# Altium PCB HV_Module_6W.PCBDOC (part 4 of 4)
Units mm, origin at the board's own origin, x right, y up, seen from the top; angles counter-clockwise.
Board outline 148 x 86 mm, 4 copper layers (Top, L2, L3, Bot), stack 1.6 mm thick; 457 components, 280 nets, 1264 pads, 439 vias.
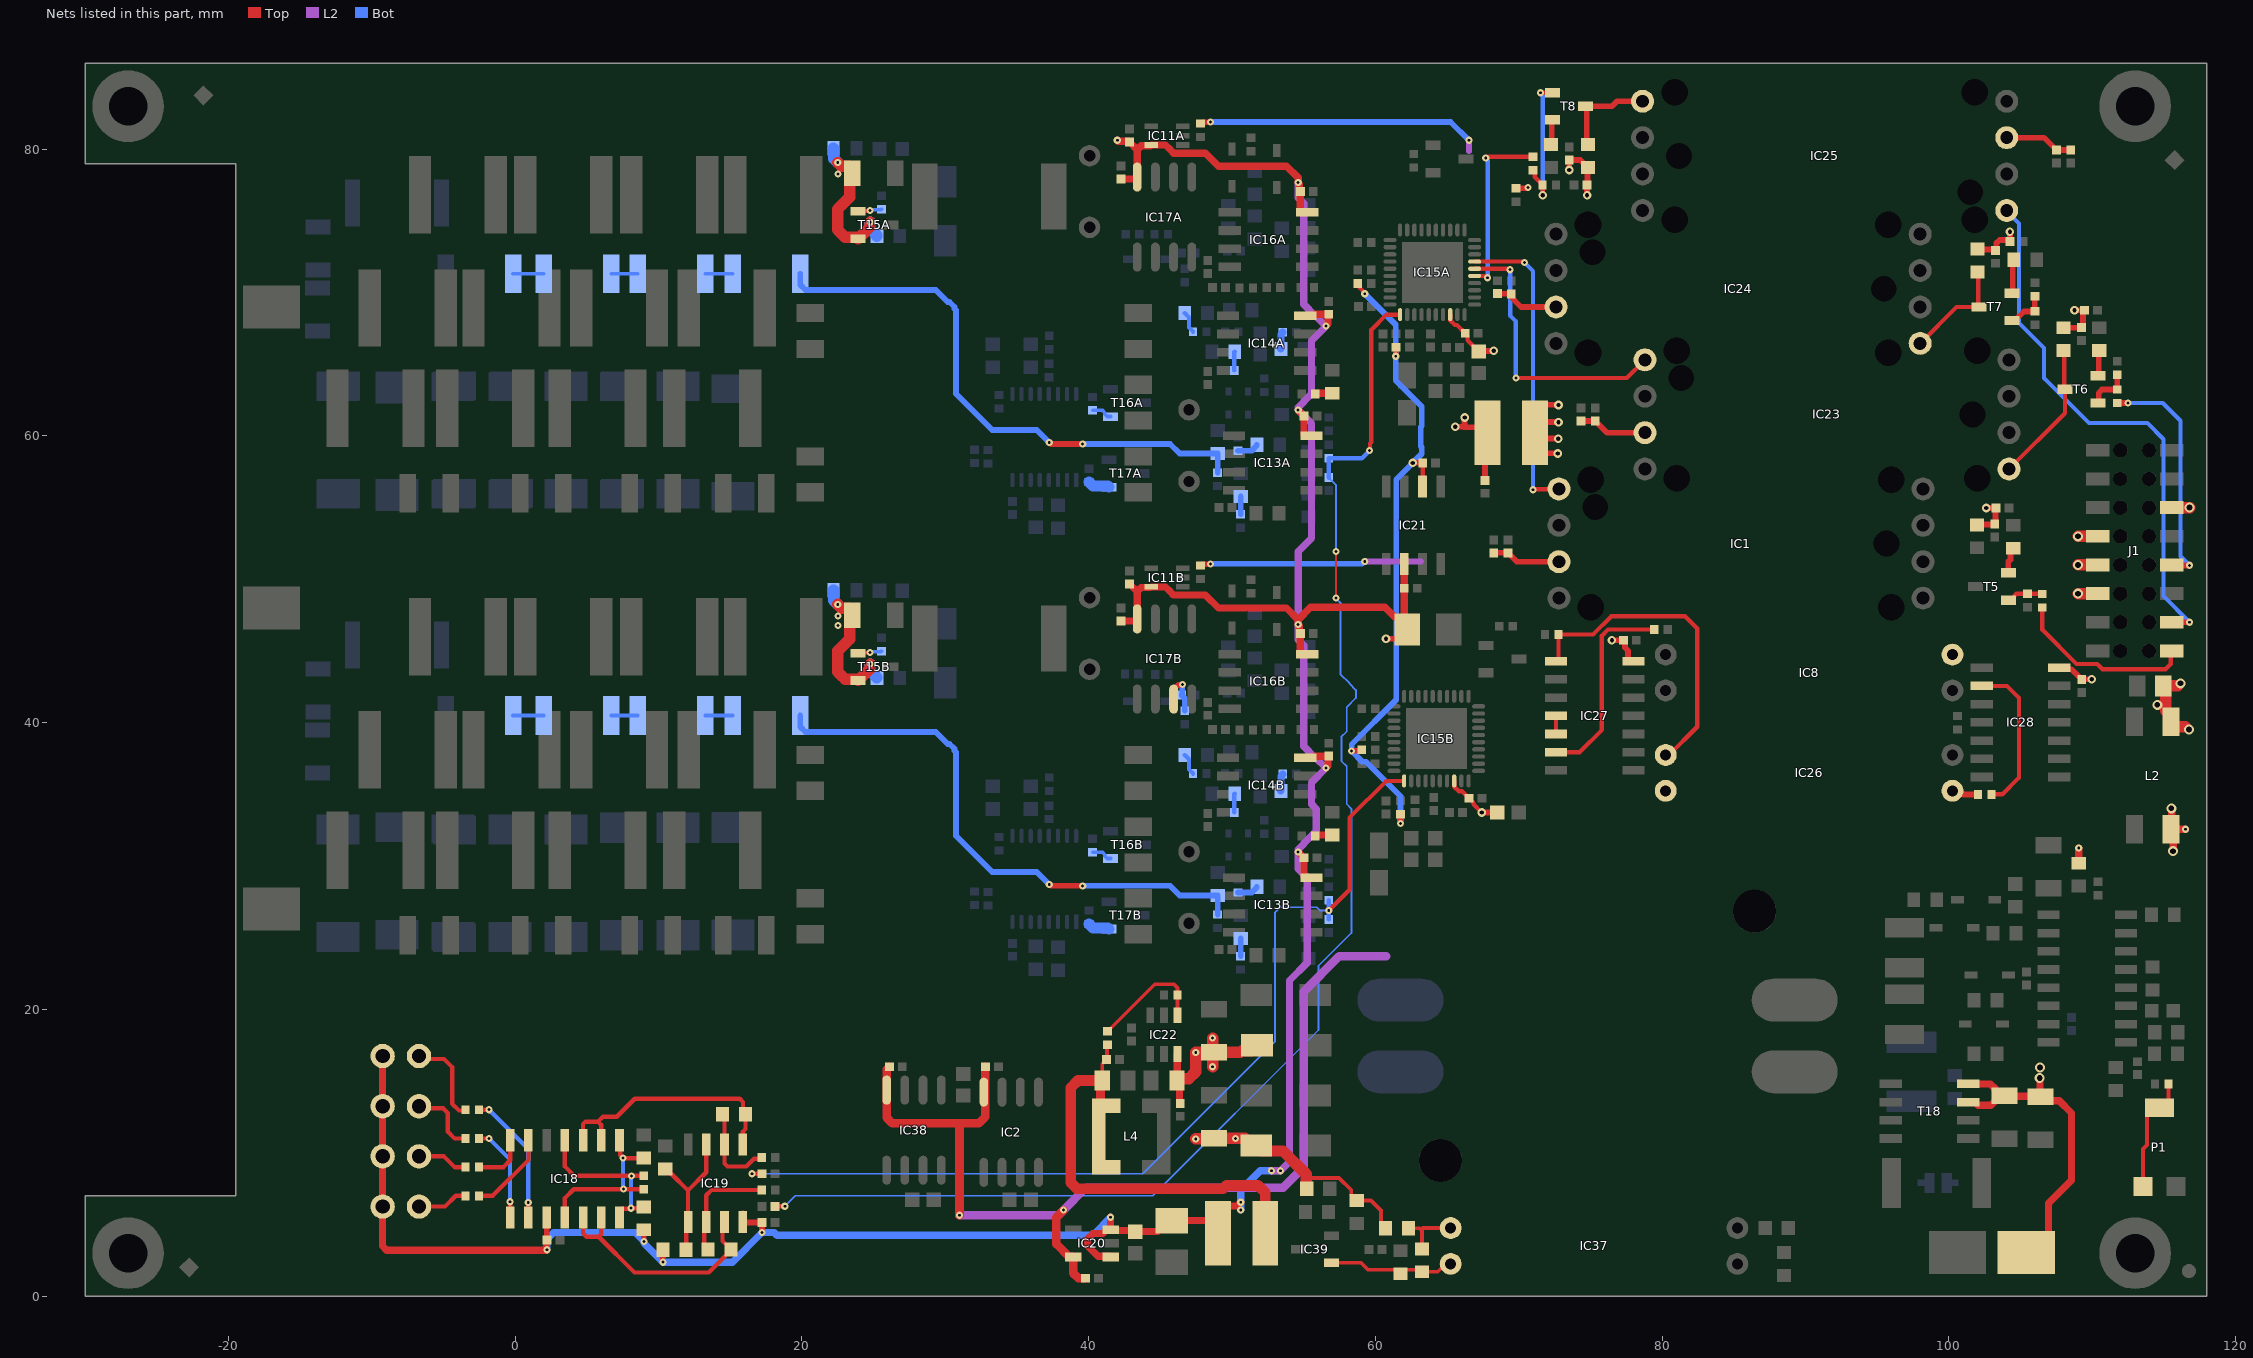
[diagram p6: the nets of this part, all layers, seen from the top]

## Via types
v1: diameter 0.5, hole 0.2, Top to Bot, tented both sides, 271 vias
v2: diameter 0.6, hole 0.3, Top to Bot, 80 vias
v3: diameter 0.5, hole 0.2, Top to Bot, 61 vias
v4: diameter 0.7, hole 0.4, Top to Bot, 27 vias

## Nets (pads, with @x,y where several pads share a name; then routed paths per layer and width w, separated by ;. In a path a pad name is that pad's centre, name@x,y a point inside that pad or via, vN(x,y) a via of type N, cw(c..) or ccw(c..) an arc to the next point about the centre after c; other vN are vias at no path point) (continued)
NetIC17B_3: IC17B.3 R179B.1 R180B.1 | length 3.4
  Top w0.4: IC17B.3@45.925,41.65 45.925,42.304 46.277,42.656 46.536,42.656 v1(46.555,42.676)
  Bot w0.4: v1(46.555,42.676) 46.536,42.656 46.536,41.978 R180B.1@46.5,41.942 46.5,41.922 46.7,41.722 R179B.1@46.7,40.839
NetIC18_1: IC18.1 R67.2 | length 6.4
  Top w0.3: R67.2@-2.53,11 v3@-1.844,11 ; IC18.1@-0.354,5.895 v3@-0.354,6.581
  Top w0.4: v3@-1.844,11 v3(-1.836,11.008) ; v3(-0.362,6.589) v3@-0.354,6.581
  Bot w0.3: v3(-1.836,11.008) -0.362,9.533 v3(-0.362,6.589)
NetIC18_2: IC18.2 R109.2 | length 9
  Top w0.3: R109.2@-2.53,13 v3@-1.844,13 ; IC18.2@0.916,5.851 v3@0.916,6.537
  Top w0.4: v3@-1.844,13 v3(-1.836,13.008) ; v3(0.908,6.545) v3@0.916,6.537
  Bot w0.3: v3(-1.836,13.008) 0.908,10.263 v3(0.908,6.545)
NetIC18_4: IC18.4 IC18.8 R59.2 R108.1 | length 12.1
  Top w0.3: IC18.4@3.463,5.48 3.463,6.841 4.082,7.46 R108.1@8.963,7.46 ; IC18.8@7.273,10.88 7.322,10.831 7.322,9.831 v3(7.523,9.63) R59.2@8.963,9.63
  Bot w0.3: v3(7.523,9.63) 7.523,7.502 v3(7.55,7.475)
NetIC18_5: IC18.5 IC18.6 IC19.7 R56.1 | length 16.5
  Top w0.3: IC18.5@4.733,5.48 4.733,4.392 4.975,4.15 5.827,4.15 ; IC18.6@6.003,5.48 6.003,4.326 5.827,4.15 ; IC19.7@14.463,5.243 14.463,3.853 R56.1@14.809,3.507 ; R56.1@15.05,3.25 15.05,3.2 13.504,1.654 8.323,1.654 5.827,4.15
NetIC18_7: IC18.7 IC18.11 R5.1 R108.2 | length 12.1
  Top w0.3: IC18.11@3.463,10.88 3.463,9.039 4.102,8.4 R108.2@8.963,8.4 ; IC18.7@7.273,5.48 7.273,5.955 7.423,6.105 8.053,6.105 v3(8.086,6.138) 8.871,6.138 R5.1@8.963,6.23
  Bot w0.3: v3(8.086,6.138) 8.077,6.146 8.077,8.354 v3(8.103,8.38)
NetIC18_9: IC18.9 IC18.10 IC19.1 R69.1 | length 17.6
  Top w0.3: IC18.10@4.733,10.88 4.733,11.999 4.909,12.175 5.775,12.175 ; IC18.9@6.003,10.88 6.003,11.947 5.775,12.175 ; IC19.1@15.868,10.58 15.868,11.461 16.063,11.656 R69.1@16.063,12.68 15.892,12.851 15.892,13.544 15.661,13.775 8.336,13.775 7.079,12.518 6.118,12.518 5.775,12.175
NetIC18_13: IC18.13 R72.2 | length 5.9
  Top w0.3: R72.2@-2.53,7 -1.575,7 0.923,9.498 IC18.13@0.923,10.88
NetIC18_14: IC18.14 R70.2 | length 3.8
  Top w0.3: R70.2@-2.53,9 -0.822,9 -0.347,9.476 IC18.14@-0.347,10.88
NetIC19_2: IC19.2 R69.2 R71.1 | length 6.4
  Top w0.3: R69.2@14.463,12.68 14.598,12.545 IC19.2@14.598,10.58 14.598,9.25 14.809,9.039 16.113,9.039 16.655,9.581 17.095,9.581 R71.1@17.193,9.68
NetIC19_3: IC19.3 IC19.5 R66.1 R68.2 | length 10.1
  Top w0.3: R68.2@10.463,8.88 10.763,8.58 10.847,8.58 12.058,7.369 ; R66.1@11.923,3.244 11.923,5.645 12.058,5.78 12.058,7.369 ; IC19.3@13.328,10.58 13.328,8.639 12.058,7.369
NetIC19_6: IC19.6 R56.2 R57.1 | length 8
  Top w0.3: R56.2@13.45,3.25 13.193,3.507 13.193,5.108 13.328,5.243 13.328,7.041 13.698,7.411 17.053,7.411 R57.1@17.193,7.405
NetIC22_4: IC22.4 R7.1 R8.2 | length 8.3
  Top w0.254: R7.1@41.311,18.47 41.331,18.47 44.611,21.75 45.95,21.75 46.2,21.5 IC22.4@46.2,19.6
NetIC23_1: IC23.1 R6.1 T6.3 | length 9.9
  Top w0.3: IC23.1@104.2,57.69 108.1,61.59 T6.3@108.1,63.25 108.05,63.3 108.05,65.9 R6.1@108,65.95
NetIC24_1: IC24.1 R98.1 T7.3 | length 7.6
  Top w0.3: IC24.1@98,66.46 100.54,69 T7.3@102.1,69 102.05,69.05 102.05,71.4 R98.1@102,71.45
NetIC25_1: IC25.1 R102.1 T8.3 | length 6.9
  Top w0.4: R102.1@74.83,80.34 74.74,80.43 74.74,82.91 T8.3@74.65,83 76.5,83 76.85,83.35 IC25.1@78.64,83.35
NetIC26_1: IC26.1 R106.1 | length 1.9
  Top w0.4: IC26.1@100.25,35.25 100.465,35.035 101.011,35.035 101.046,35 R106.1@102.03,35
NetIC26_3: IC26.3 IC27.1 R21.2 | length 22.4
  Top w0.3: IC27.1@72.58,44.31 IC27.1@72.6,44.29 72.62,44.29 72.77,44.44 R21.2@72.77,46.15 75.187,46.15 76.462,47.425 81.599,47.425 82.45,46.574 82.45,39.72 80.48,37.75 IC26.3@80.25,37.75
NetIC27_4: IC27.4 IC27.5 | length 1.3
  Top w0.3: IC27.5@72.6,39.21 IC27.4@72.6,40.48
NetIC27_6: IC27.6 R23.2 | length 14.3
  Top w0.3: IC27.6@72.6,37.94 74.24,37.94 75.8,39.5 75.8,46.065 76.235,46.5 R23.2@79.46,46.5
NetIC28_2: IC28.2 R106.2 | length 10.9
  Top w0.3: IC28.2@102.3,42.565 104.061,42.565 104.894,41.733 104.894,36.169 103.725,35 R106.2@102.97,35
NetIC37_1: IC37.1 R32.1 R196.2 | length 4.2
  Top w0.254: R32.1@62.314,4.728 63.101,4.728 ; 63.176,4.654 63.25,4.58 R196.2@63.25,3.3 ; 63.25,4.7 63.3,4.75 IC37.1@65.25,4.75
NetIC37_2: IC37.2 IC39.1 R196.1 R197.2 | length 8.8
  Top w0.254: IC39.1@56.925,2.318 59.013,2.318 59.481,1.85 61.75,1.85 63.1,1.85 R196.1@63.25,1.7 64.356,1.7 64.906,2.25 IC37.2@65.25,2.25
NetP1_2: P1.2 P1.3 R189.1 | length 8.2
  Top w0.254: P1.3@113.544,7.65 113.544,10.261 113.821,10.538 113.821,12.627 114.344,13.15 P1.2@114.694,13.15 114.796,13.15 115.319,13.673 R189.1@115.319,14.805
NetR2_1: R2.1 R3.2 T5.1 | length 2.6
  Top w0.3: T5.1@104.15,48.55 104.35,48.55 104.475,48.675 104.475,48.756 104.709,48.99 R3.2@105.48,48.99 ; R3.2@105.5,48.99 105.504,48.986 106.508,48.986 R2.1@106.512,48.981
NetR4_2: R4.2 T5.2 | length 1.9
  Top w0.4: T5.2@104.15,50.45 104.15,51.23 104.296,51.376 104.296,51.966 R4.2@104.5,52.17
NetR9A_2: R9A.2 R181A.1 | length 1.5
  Bot w0.4: R181A.1@50.412,58.976 51.376,58.976 51.73,59.33 R9A.2@51.73,59.38
NetR9B_2: R9B.2 R181B.1 | length 1.5
  Bot w0.4: R181B.1@50.412,28.151 51.376,28.151 51.73,28.505 R9B.2@51.73,28.555
NetR28A_1: R28A.1 R58A.2 | length 1.2
  Bot w0.4: R58A.2@50.605,54.545 R28A.1@50.605,55.776
NetR28B_1: R28B.1 R58B.2 | length 1.2
  Bot w0.4: R58B.2@50.605,23.72 R28B.1@50.605,24.951
NetR63A_2: R63A.2 R74A.2 R81A.1 | length 39.6
  Top w0.4: v1(37.25,59.542) 37.277,59.542 37.372,59.446 v1(39.583,59.446)
  Bot w0.4: R81A.1@19.877,71.325 19.877,70.55 20.252,70.175 29.34,70.175 30.173,69.342 30.3,69.342 30.638,69.004 30.638,68.877 30.75,68.765 30.75,62.939 33.278,60.411 36.381,60.411 v1(37.25,59.542) ; v1(39.583,59.446) 45.684,59.446 46.355,58.775 R63A.2@49,58.775 R74A.2@49,57.446
NetR63B_2: R63B.2 R74B.2 R81B.1 | length 39.6
  Top w0.4: v1(37.25,28.717) 37.277,28.717 37.372,28.621 v1(39.583,28.621)
  Bot w0.4: R81B.1@19.877,40.5 19.877,39.725 20.252,39.35 29.34,39.35 30.173,38.517 30.3,38.517 30.638,38.179 30.638,38.052 30.75,37.94 30.75,32.114 33.278,29.586 36.381,29.586 v1(37.25,28.717) ; v1(39.583,28.621) 45.684,28.621 46.355,27.95 R63B.2@49,27.95 R74B.2@49,26.621
NetR75A_1: R75A.1 R77A.2 | length 1.8
  Bot w0.254: R75A.1@6.7,71.325 R77A.2@8.55,71.325
NetR75A_2: R75A.2 R76A.1 | length 2.2
  Bot w0.254: R76A.1@-0.15,71.325 R75A.2@2,71.325
NetR75B_1: R75B.1 R77B.2 | length 1.8
  Bot w0.254: R75B.1@6.7,40.5 R77B.2@8.55,40.5
NetR75B_2: R75B.2 R76B.1 | length 2.2
  Bot w0.254: R76B.1@-0.15,40.5 R75B.2@2,40.5
NetR77A_1: R77A.1 R81A.2 | length 1.9
  Bot w0.254: R77A.1@13.25,71.325 R81A.2@15.177,71.325
NetR77B_1: R77B.1 R81B.2 | length 1.9
  Bot w0.254: R77B.1@13.25,40.5 R81B.2@15.177,40.5
NetR79A_2: R79A.2 R82A.1 | length 1.5
  Bot w0.3: R79A.2@46.7,68.575 47,68.275 47,67.571 47.28,67.291 R82A.1@47.28,67.271
NetR79B_2: R79B.2 R82B.1 | length 1.5
  Bot w0.3: R79B.2@46.7,37.75 47,37.45 47,36.746 47.28,36.466 R82B.1@47.28,36.446
NetR83A_2: R83A.2 R86A.1 | length 1.2
  Bot w0.508: R86A.1@53.406,66.065 53.419,66.078 53.419,67.102 53.497,67.179 53.497,67.199 R83A.2@53.533,67.235
NetR83B_2: R83B.2 R86B.1 | length 1.2
  Bot w0.508: R86B.1@53.406,35.24 53.419,35.253 53.419,36.277 53.497,36.354 53.497,36.374 R83B.2@53.533,36.41
NetR88A_1: R88A.1 R92A.2 | length 1.2
  Top w0.5: R92A.2@55.81,62.93 55.81,62.942 55.85,62.982 R88A.1@57,62.982
NetR88B_1: R88B.1 R92B.2 | length 1.2
  Top w0.5: R92B.2@55.81,32.105 55.81,32.117 55.85,32.157 R88B.1@57,32.157
NetR91A_1: R91A.1 R184A.2 | length 1.3
  Bot w0.3: R184A.2@50.163,64.573 50.163,65.853 R91A.1@50.19,65.879
NetR91B_1: R91B.1 R184B.2 | length 1.3
  Bot w0.3: R184B.2@50.163,33.748 50.163,35.028 R91B.1@50.19,35.054
NetR95_1: R95.1 R96.2 T6.1 | length 3.2
  Top w0.4: T6.1@110.4,62.3 110.4,62.375 110.45,62.425 110.45,63.006 110.684,63.24 R95.1@111.75,63.24 R96.2@111.75,64.28
NetR97_2: R97.2 T6.2 | length 1.8
  Top w0.4: T6.2@110.4,64.2 110.45,64.25 110.45,65.9 R97.2@110.5,65.95
NetR99_1: R99.1 R100.2 T7.1 | length 2.9
  Top w0.4: T7.1@104.4,68.05 104.6,68.05 105.24,68.69 R99.1@106,68.69 R100.2@106,69.75
NetR101_2: R101.2 T7.2 | length 2.4
  Top w0.4: T7.2@104.4,69.95 104.45,70 104.45,72.218 R101.2@104.53,72.297
NetR103_1: R103.1 R104.2 T8.1 | length 9.9
  Top w0.3: R103.1@71,78.53 71.02,78.53 71.11,78.44 71.11,78.07 71.66,77.52 R104.2@71.66,77.5 71.668,77.492 71.668,76.806 v2(71.675,76.799) ; v3@71.522,83.949 T8.1@72.208,83.949
  Top w0.4: v3(71.515,83.941) v3@71.522,83.949
  Bot w0.3: v3(71.515,83.941) 71.515,83.887 71.675,83.727 v2(71.675,76.799)
NetR105_2: R105.2 T8.2 | length 1.8
  Top w0.4: R105.2@72.25,80.34 72.3,80.39 72.3,82 T8.2@72.35,82.05
NetR165A_2: R165A.2 T15A.1 | length 1.7
  Top w0.254: T15A.1@23.911,75.67 23.937,75.696 24.724,75.696 v1(24.75,75.722)
  Bot w0.254: v1(24.75,75.722) 24.797,75.769 25.499,75.769 R165A.2@25.55,75.82
NetR165B_2: R165B.2 T15B.1 | length 1.7
  Top w0.254: T15B.1@23.911,44.845 23.937,44.871 24.724,44.871 v1(24.75,44.897)
  Bot w0.254: v1(24.75,44.897) 24.797,44.944 25.499,44.944 R165B.2@25.55,44.995
NetR167A_2: R167A.2 T16A.1 | length 1.5
  Bot w0.254: R167A.2@40.275,61.785 40.966,61.785 41.127,61.624 41.127,61.528 41.3,61.355 T16A.1@41.525,61.355
NetR167B_2: R167B.2 T16B.1 | length 1.5
  Bot w0.254: R167B.2@40.275,30.96 40.966,30.96 41.127,30.799 41.127,30.703 41.3,30.53 T16B.1@41.525,30.53
NetR171A_2: R171A.2 T17A.1 | length 1.5
  Bot w0.762: R171A.2@40.025,56.785 40.296,56.514 41.346,56.514 T17A.1@41.427,56.433
NetR171B_2: R171B.2 T17B.1 | length 1.5
  Bot w0.762: R171B.2@40.025,25.96 40.296,25.689 41.346,25.689 T17B.1@41.427,25.608
P3V3: C1.2 C6.2 C9.2 C49.1 C58.2 C60.2 C61.2 C63.1 C64.2 IC8.4 IC25.6 IC28.14 J1.11 R1.2 R6.2 R98.2 | length 18.4
  Top w0.4: R1.2@101.97,53.804 101.993,53.827 103.177,53.827 C1.2@103.2,53.85 103.25,53.9 103.25,54.932 C60.2@103.3,54.982 102.614,54.982 v2(102.606,54.975) ; R98.2@102,73.05 102.05,73 103.2,73 C61.2@103.25,72.95 103.309,73.009 103.309,73.442 103.544,73.676 104.264,73.676 104.264,74.236 v2(104.262,74.238) ; IC25.6@104.04,80.81 106.64,80.81 C63.1@107.5,79.95 C9.2@108.5,79.95 ; IC28.14@107.7,43.835 107.8,43.735 108.55,43.735 C49.1@109.27,43.015 109.277,43.023 109.964,43.023 v2(109.971,43.03) ; R6.2@108,67.55 108.007,67.557 109.248,67.557 C6.2@109.255,67.564 109.365,67.674 C64.2@109.365,68.774 ; v2(108.763,68.766) 108.77,68.774 C64.2@109.365,68.774 ; C64.2@109.456,68.774 C64.2@109.365,68.774
  Top w0.8: J1.11@115.539,55.004 v4(116.792,55.004)
P3V3Ap: C19A.2 C19B.2 C24A.2 C24B.2 C57.2 IC15A.38 IC15B.38 L7.2 R175A.2 R175B.2 | length 51.2
  Top w0.3: IC15A.38@65.22,68.466 65.22,68.062 65.543,67.739 65.697,67.739 C24A.2@66.27,67.166 66.43,67.006 66.43,66.68 C19A.2@67.22,65.89 C19A.2@67.496,66.166 ; IC15B.38@65.5,35.94 65.5,35.536 65.823,35.213 66.044,35.213 C24B.2@66.52,34.737 ; C24B.2@66.525,34.732 66.838,34.419 66.838,34.308 67.406,33.74 v2(67.413,33.74)
  Top w0.4: R175B.2@47.811,50.97 47.901,51.06 48.481,51.06 v1(48.5,51.079) ; R175A.2@47.811,81.795 47.901,81.885 48.481,81.885 v1(48.5,81.904) ; v2@65.577,60.636 66.216,60.636 66.216,61.275 v2(66.231,61.291) ; 66.172,60.605 68.053,60.605 L7.2@68.074,60.625 ; v2(67.413,33.74) C19B.2@68.5,33.74 C19B.2@68.352,33.888 ; C19A.2@67.555,65.93 v2@68.241,65.93 ; C57.2@67.648,56.905 67.648,60.053 L7.2@67.825,60.23 ; v2(68.248,65.937) v2@68.248,65.991
  L2 w0.4: v1(59.26,51.242) 63.189,51.242 ; v1(66.525,80.627) 66.525,79.873 66.533,79.865
  Bot w0.4: v1(48.5,51.079) 59.07,51.079 59.233,51.242 v1(59.26,51.242) ; v1(48.5,81.904) 65.248,81.904 v1(66.525,80.627)
  other v2: 65.561,60.652
P3V3p: C2.1 C3.1 C7.1 C8.2 C10.2 C50.1 C59.2 C62.2 C65.2 C66.2 C68.1 C136.1 IC1.6 IC2.8 IC20.5 IC23.6 IC24.6 IC26.4 IC27.14 IC38.8 L7.1 R102.2 R107.2 | length 98.6
  Top w0.4: C59.2@68.254,51.85 C2.1@69.25,51.85 69.87,51.23 IC1.6@72.8,51.23 ; C8.2@68.531,69.925 68.536,69.92 69.47,69.92 C7.1@69.475,69.916 ; C7.1@69.25,69.916 70.166,69 IC24.6@72.6,69 ; R107.2@69.8,77.276 70.585,77.276 v3(70.65,77.341) ; 72.07,58.795 72.709,58.795 v2(72.725,58.779) ; 72.108,59.825 72.747,59.825 v2(72.762,59.809) ; 72.115,60.968 72.754,60.968 v2(72.77,60.952) ; 72.115,62.175 72.754,62.175 v2(72.77,62.159) ; v2(73.533,78.556) 73.525,78.564 C65.2@73.525,79.25 74.296,79.25 74.53,79.016 74.53,78.99 74.78,78.74 R102.2@74.83,78.74 74.79,78.7 74.79,77.54 C62.2@74.75,77.5 74.758,77.492 74.758,76.806 v2(74.765,76.799) ; C10.2@74.351,61.031 74.36,61.041 75.331,61.041 C3.1@75.34,61.05 76.16,60.23 IC23.6@78.8,60.23 ; v2(76.5,45.75) C50.1@77.3,45.75 77.41,45.64 77.41,45.24 77.625,45.025 77.625,44.39 77.725,44.29 IC27.14@78,44.29
  Top w0.6: C68.1@26.1,16 25.912,15.812 25.912,14.376 IC38.8@25.91,14.374 25.91,12.446 26.308,12.048 30.989,12.048 ; v1(30.983,5.645) 30.989,5.651 30.989,12.048 ; C136.1@32.8,16 32.8,12.51 32.339,12.048 30.989,12.048 ; v1(38.25,6) 37.75,5.5 37.75,3.63 38.65,2.73 IC20.5@38.925,2.73 38.925,1.601 39.266,1.26 39.765,1.26 C66.2@39.775,1.25 ; L7.1@71.125,61.58 L7.1@71.125,60.23 71.125,60.053 L7.1@71.725,59.453
  L2 w0.6: v1(30.983,5.645) 37.895,5.645 v1(38.25,6) 39.823,7.573 53.573,7.573 55,9 55,21.24 57.47,23.71 60.765,23.71
P5V0Ap: C16A.2 C16B.2 C47.2 C51.2 C52.2 C53.1 C54.2 C124A.2 C124B.2 C125A.2 C125B.2 C129A.2 C129B.2 C133A.2 C133B.2 C135.1 IC11A.5 IC11B.5 IC13A.8 IC13B.8 IC14A.8 IC14B.8 IC16A.8 IC16B.8 IC17A.8 IC17B.8 IC18.3 IC19.8 IC20.1 IC20.3 IC21.2 L3.2 LD1.2 LD2.2 LD3.2 LD4.2 R5.2 R66.2 | length 232.7
  Top w0.4: IC18.3@2.193,5.48 2.203,5.47 2.203,3.94 C51.2@2.213,3.93 2.213,3.244 v3(2.221,3.236) ; R5.2@8.975,4.517 8.975,3.831 v3(8.982,3.824) ; R66.2@10.302,3.064 10.302,2.378 v3(10.31,2.37) ; IC19.8@15.868,5.78 15.868,5.222 15.961,5.13 C52.2@17.213,5.13 17.213,4.444 v3(17.221,4.436) ; v2(60.74,45.853) 60.748,45.861 C53.1@61.428,45.861
  Top w0.5: LD1.2@-9.25,16.75 LD2.2@-9.25,13.25 LD3.2@-9.25,9.75 LD4.2@-9.25,6.25 -9.25,3.493 -8.957,3.2 2.184,3.2 v3(2.221,3.236) ; IC20.1@41.525,2.73 41.475,2.78 40.652,2.78 39.942,3.49 39.942,4.01 40.309,4.377 40.997,4.377 41.2,4.58 41.475,4.58 IC20.3@41.525,4.63 ; v1(41.525,5.5) IC20.3@41.525,4.63 ; v1(42,80.627) 42.067,80.56 42.795,80.56 C125A.2@42.855,80.5 43.385,79.97 ; C124B.2@42.25,47.095 43.334,47.095 43.385,47.146 IC17B.8@43.385,47.238 43.385,49.145 ; C124A.2@42.25,77.92 43.334,77.92 43.385,77.971 IC17A.8@43.385,78.063 43.385,79.97 ; C125B.2@42.855,49.675 43.385,49.145 ; L3.2@49.02,4.398 L3.2@49.02,4.616 ; v1(50.605,6.552) 50.341,6.288 49.67,6.288 49.02,5.638 L3.2@49.02,4.616 ; v1(54.615,30.976) 54.619,30.976 C16B.2@55.015,30.58 55.015,29.247 55.066,29.196 IC13B.8@55.541,29.196 ; v1(54.615,61.801) 54.619,61.801 C16A.2@55.015,61.405 55.015,60.072 55.066,60.021 IC13A.8@55.541,60.021 ; IC14B.8@55.115,37.555 55.165,37.605 55.74,37.605 55.8,37.665 C133B.2@56.75,37.665 56.69,37.605 56.69,36.975 v1(56.56,36.846) ; IC14A.8@55.115,68.38 55.165,68.43 55.74,68.43 55.8,68.49 C133A.2@56.75,68.49 56.69,68.43 56.69,67.8 v1(56.56,67.671) ; IC16B.8@55.24,44.78 54.815,44.78 54.765,44.83 C129B.2@54.765,46.225 54.705,46.285 54.705,46.761 v1(54.615,46.851) 54.615,47.186 ; IC16A.8@55.24,75.605 54.815,75.605 54.765,75.655 C129A.2@54.765,77.05 54.705,77.11 54.705,77.586 v1(54.615,77.676) 54.615,78.011 53.806,78.82 49.055,78.82 48.152,79.723 45.924,79.723 45.703,79.944 45.703,79.967 45.37,80.3 IC11A.5@44.355,80.3 44.305,80.25 43.665,80.25 43.385,79.97 ; IC21.2@62.017,51.076 C54.2@62.017,49.377 C53.1@62.017,46.928 ; C53.1@62.22,46.5 62.22,46.725 C53.1@62.017,46.928 ; IC20.3@41.525,4.63 41.575,4.58 43.17,4.58 C47.2@43.25,4.5 44.802,4.5 45.568,5.266 C135.1@45.793,5.266 48.37,5.266 L3.2@49.02,4.616 ; 43.385,49.145 43.665,49.425 44.305,49.425 IC11B.5@44.355,49.475 45.37,49.475 45.703,49.142 45.703,49.119 45.924,48.898 48.152,48.898 49.055,47.995 53.806,47.995 54.615,47.186 ; 54.615,47.186 55.479,48.05 60.67,48.05 61.345,47.375 61.57,47.375 C53.1@62.017,46.928
  L2 w0.5: v1(52.75,8.75) v1(53.381,8.75) 54.013,9.382 54.013,22.013 55.25,23.25 55.25,29.181 54.615,29.816 v1(54.615,30.976) 54.615,31.157 55,31.542 55,31.575 55.877,32.452 55.877,33.985 55.555,34.307 55.555,35.84 v1@56.55,36.835 ; v1(54.615,77.676) 54.615,76.601 55,76.216 55,69.188 55.825,68.363 55.848,68.363 v1@56.55,67.66 ; v1(56.56,36.846) v1@56.55,36.835 ; v1(56.56,67.671) v1@56.55,67.66 ; v1@56.55,36.835 55.848,37.538 55.825,37.538 55,38.363 55,45.391 54.615,45.776 v1(54.615,46.851) 54.615,51.939 55.555,52.879 55.555,60.861 v1(54.615,61.801) 54.615,61.982 55,62.367 55,62.4 55.555,62.955 55.555,66.665 v1@56.55,67.66
  Bot w0.5: v3(2.221,3.236) 2.221,3.965 2.692,4.436 8.37,4.436 v3(8.982,3.824) 8.982,3.697 v3(10.31,2.37) 15.155,2.37 v3(17.221,4.436) 18.064,4.436 18.25,4.25 40.182,4.25 40.309,4.377 40.402,4.377 v1(41.525,5.5) ; v1(50.605,6) 50.605,7.389 51.966,8.75 v1(53.381,8.75)
P5V0p: C42.2 C45.2 L3.1 L4.2 R7.2 | length 32.5
  Top w0.254: C45.2@40.95,15.05 40.95,16.2 C42.2@41.25,16.5 41.281,16.531 41.281,17.499 R7.2@41.311,17.53
  Top w0.6: L4.2@40.7,11.143 40.825,11.268 40.825,14.925 C45.2@40.95,15.05
  Top w0.762: C45.2@40.95,15.05 39.266,15.05 38.75,14.534 38.75,7.938 39.196,7.492 49.369,7.492 49.608,7.73 51.82,7.73 52.32,7.23 L3.1@52.32,4.398
P12V0: C4.2 J1.6 J1.8 J1.10 L2.1 | length 9.1
  Top w0.8: v4(109.011,49.004) J1.6@110.389,49.004 ; v4(109.011,51.004) J1.8@110.389,51.004 ; v4(109.011,53.004) J1.10@110.389,53.004 ; v4@115.954,42.565 C4.2@114.95,42.565 115.125,42.39 115.125,40.835 115.495,40.465 L2.1@115.495,40.065 115.495,39.93 115.695,39.73 v4@116.5,39.73
  other v4: 116.75,39.522 114.54,41.25 116.159,42.75
P12V0c: C30.1 C31.1 J11.1 L2.4 R185.2 T18.7 T18.8 | length 28.4
  Top w0.508: T18.7@101.354,13.535 101.829,13.535 102.052,13.313 102.936,13.313 103.233,13.61 103.233,13.674 C31.1@103.554,13.995 ; T18.8@101.354,14.805 102.891,14.805 103.233,14.463 103.233,14.316 C31.1@103.554,13.995 ; C31.1@103.879,13.995 C31.1@103.554,13.995 ; C31.1@103.927,13.948 C30.1@106.357,13.948 ; J11.1@105.404,3.05 105.713,3.05 106.959,4.296 106.959,6.5 108.55,8.091 108.55,12.78 107.7,13.63 106.675,13.63 C30.1@106.404,13.9 C30.1@106.357,13.948 ; v4(106.339,15.22) 106.357,15.202 C30.1@106.357,13.948 ; R185.2@109.058,30.2 v1(109.058,31.25) ; L2.4@115.451,32.609 L2.4@115.495,32.565 ; v4@115.539,34.058 115.539,32.609 L2.4@115.495,32.565 ; v4@115.654,31.067 115.654,32.406 L2.4@115.495,32.565 ; v1(116.5,32.565) L2.4@115.495,32.565
  other v4: 106.357,15.95 115.637,31.036 115.522,34.027
P12V0p: C25.2 C32.2 C34.1 C35.1 C48.2 C70A.1 C70B.1 D34.1 D35.1 IC22.3 R32.2 R163A.2 R163B.2 R164A.1 R164B.1 R195.2 T15A.2 T15B.2 | length 53
  Top w0.254: 55.17,8.128 55.288,8.246 57.466,8.246 58.328,7.383 58.328,6.998 58.651,6.675 59.688,6.675 60.391,5.972 60.391,5.051 R32.2@60.714,4.728
  Top w0.508: IC22.3@46.2,16.9 46.179,16.879 46.179,15.079 C32.2@46.15,15.05 46.329,14.871 46.329,13.506 C25.2@46.385,13.45
  Top w0.8: v1(22.5,48.25) 22.75,48 23.325,48 23.5,47.825 C70B.1@23.5,47.5 23.325,47.325 23.325,45.829 22.5,45.004 22.5,43.55 22.75,43.299 23.005,43.045 23.811,43.045 T15B.2@23.911,42.945 ; v1(22.5,79.075) 22.75,78.825 23.325,78.825 23.5,78.65 C70A.1@23.5,78.325 23.325,78.15 23.325,76.654 22.5,75.829 22.5,74.375 22.75,74.124 23.005,73.87 23.811,73.87 T15A.2@23.911,73.77 ; T15B.2@24.036,43.045 24.75,43.759 v1(24.75,44.087) ; T15A.2@24.036,73.87 24.75,74.584 v1(24.75,74.912) ; C32.2@46.15,15.05 46.25,15.15 46.972,15.15 47.474,15.652 v1(47.474,17) C34.1@48.75,17 ; v1(47.474,10.972) 48.722,10.972 C35.1@48.75,11 v1(50.25,11) 50.875,11 51.375,10.5 D35.1@51.7,10.5 52.075,10.125 53.555,10.125 55.17,8.509 55.17,7.547 C48.2@55.225,7.492 ; v1(48.64,16) 48.64,16.89 C34.1@48.75,17 ; v1(48.64,18) 48.64,17.11 C34.1@48.75,17 ; D34.1@51.743,17.5 51.368,17.125 50.699,17.125 50.574,17 C34.1@48.75,17
  Bot w0.8: R163B.2@22.2,49.25 22.225,49.225 22.225,48.525 v1(22.5,48.25) ; R163A.2@22.2,80.075 22.225,80.05 22.225,79.35 v1(22.5,79.075) ; v1(24.75,44.087) 24.75,43.645 25.225,43.17 R164B.1@25.225,43.12 ; v1(24.75,74.912) 24.75,74.47 25.225,73.995 R164A.1@25.225,73.945
  other v1: 22.505,46.791 22.505,47.44 22.505,78.265
REFIN: C55.2 IC21.6 R20A.2 R20B.2 R22A.2 R22B.2 | length 47.5
  Top w0.3: R22A.2@58.78,70.641 58.92,70.501 58.92,70.319 59.26,69.979 v1(59.26,69.925) ; IC21.6@63.287,56.476 63.295,56.483 63.295,58.119 C55.2@63.302,58.127
  Top w0.4: v3(58.324,38.032) 58.344,38.051 58.97,38.051 58.97,38.08 R22B.2@59.03,38.14 ; R20A.2@61.417,66.253 61.417,65.567 v3(61.425,65.559) ; v3(61.749,32.975) R20B.2@61.75,33.61 ; v2(62.608,58.119) 62.616,58.127 C55.2@63.302,58.127
  Bot w0.4: v1(59.26,69.925) 61.425,67.76 v3(61.425,65.559) 61.425,63.863 63.234,62.054 63.234,60.704 63.162,60.632 63.162,59.283 63.234,59.21 63.234,58.766 62.608,58.14 v2(62.608,58.119) 61.458,56.969 61.458,41.597 58.344,38.482 58.344,38.051 v3(58.324,38.032) 59.079,37.277 59.338,37.277 61.749,34.866 v3@61.749,33.075
SCKI: J1.7 R95.2 | length 16
  Top w0.4: R95.2@111.75,62.3 v3(112.5,62.3) ; J1.7@116.1,50.97 116.786,50.97 v3(116.794,50.978)
  Bot w0.3: v3(112.5,62.3) 114.925,62.3 116.159,61.066 116.159,51.612 v3(116.794,50.978)
SCKI_ISOL: IC15A.6 IC23.8 | length 19.8
  Top w0.3: IC15A.6@66.92,71.666 69.193,71.666 69.22,71.638 69.362,71.638 v3(69.4,71.6) ; v1(69.8,64.04) 77.53,64.04 IC23.8@78.8,65.31
  Bot w0.3: v3(69.4,71.6) 69.4,68.394 69.8,67.994 v1(69.8,64.04)
SDI: J1.1 R2.2 | length 12.7
  Top w0.3: R2.2@106.512,48.041 106.512,46.492 108.904,44.1 110.356,44.1 110.721,43.735 115.11,43.735 115.475,44.1 115.475,44.94 J1.1@115.539,45.004
SDI_ISOL: IC1.8 IC15A.7 | length 21.4
  Top w0.3: IC15A.7@66.92,72.166 67.303,72.166 67.314,72.177 69.018,72.177 69.029,72.166 70.193,72.166 70.22,72.138 70.362,72.138 v3(70.4,72.1) ; v1(71,56.25) 71.03,56.28 72.77,56.28 IC1.8@72.8,56.31
  Bot w0.3: v3(70.4,72.1) 71,71.5 v1(71,56.25)
SDO: IC25.8 J1.3 | length 37.1
  Top w0.4: J1.3@116.1,47.004 116.786,47.004 v3(116.794,47.012)
  Bot w0.3: IC25.8@104.04,75.73 104.04,75.67 104.894,74.816 104.894,67.881 106.64,66.135 106.64,64.035 109.775,60.9 113.85,60.9 114.975,59.775 114.975,48.83 v3(116.794,47.012)
SDO_ISOL: IC15A.5 R103.2 | length 12.7
  Top w0.3: IC15A.5@66.92,71.166 67.648,71.166 67.778,71.036 v3(67.832,71.036) ; v3(67.701,79.401) 67.755,79.401 67.824,79.47 R103.2@71,79.47
  Bot w0.3: v3(67.701,79.401) 67.701,79.347 67.832,79.216 v3(67.832,71.036)
U_meas1: C44.2 C128A.2 IC15A.31 R80A.1 | length 99.3
  Top w0.127: v1(57.25,48.69) v1(57.25,51.951)
  Top w0.3: C44.2@18.113,6.267 v3@18.799,6.267 ; v1(59.587,58.976) 59.625,59.015 59.625,59.475 59.72,59.57 59.72,67.414 60.772,68.466 IC15A.31@61.72,68.466
  Top w0.4: v3@18.799,6.267 v3(18.807,6.275)
  Bot w0.127: v3(18.807,6.275) 19.532,7 44.466,7 56.03,18.565 56.03,23.037 58.324,25.331 58.324,34.005 58,34.329 58,36.958 57.63,37.328 57.63,39.018 58,39.389 58,41.079 58.645,41.724 58.645,42.272 58.204,42.713 58.204,42.747 57.56,43.391 57.56,48.38 v1(57.25,48.69) ; C128A.2@56.75,57.096 57.251,56.595 v1(57.25,51.951)
  Bot w0.3: C128A.2@56.75,57.096 R80A.1@56.75,58.44 59.051,58.44 v1(59.587,58.976)
U_meas2: C46.2 C128B.2 IC15B.31 R80B.1 | length 67.3
  Top w0.3: v3@16.527,8.542 C46.2@17.213,8.542 ; v1(56.75,26.9) 58.204,28.354 58.204,33.379 60.765,35.94 IC15B.31@62,35.94
  Top w0.4: v3(16.52,8.535) v3@16.527,8.542
  Bot w0.127: v3(16.52,8.535) 43.785,8.535 52.993,17.743 52.993,26.738 53.381,27.126 55.919,27.126 56.144,26.9 v1(56.75,26.9)
  Bot w0.3: R80B.1@56.735,27.6 R80B.1@56.75,27.615 v1(56.75,26.9) C128B.2@56.75,26.271
V1F: LD2.1 R67.1 | length 4.9
  Top w0.3: LD2.1@-6.71,13.25 -6.56,13.1 -5.02,13.1 -4.701,12.781 -4.701,11.476 -4.225,11 R67.1@-3.47,11
V1R: LD1.1 R109.1 | length 6.5
  Top w0.3: LD1.1@-6.71,16.75 -6.507,16.547 -4.967,16.547 -4.4,15.98 -4.4,13.425 -3.925,12.95 -3.52,12.95 R109.1@-3.47,13 R109.1@-3.57,13.1
V2F: LD4.1 R72.1 | length 3.6
  Top w0.3: LD4.1@-6.71,6.25 -4.9,6.25 -4.15,7 R72.1@-3.47,7
V2R: LD3.1 R70.1 | length 3.6
  Top w0.3: LD3.1@-6.71,9.75 -4.975,9.75 -4.225,9 R70.1@-3.47,9
pads on no net: B1.1 B2.1 B3.1 B4.1 FTG1.FTG2 FTG2.1 FTG3.1 FTG4.1 IC1.9 IC1.10 IC1.11 IC1.12 IC1.13 IC1.14 IC2.1 IC2.7 IC3.9 IC3.13 IC9A.6 IC9A.10 IC9B.6 IC9B.10 IC15A.2 IC15A.3 IC15A.4 IC15A.10 IC15A.15 IC15A.16 IC15A.17 IC15A.20 IC15A.21 IC15A.27 IC15A.28 IC15A.29 IC15A.40 IC15B.2 IC15B.3 IC15B.4 IC15B.10 IC15B.15 IC15B.16 IC15B.17 IC15B.20 IC15B.21 IC15B.27 IC15B.28 IC15B.29 IC15B.40 IC17A.5 IC17A.6 IC17A.7 IC17B.5 IC17B.6 IC17B.7 IC20.4 IC21.1 IC21.3 IC21.5 IC21.7 IC21.8 IC22.5 IC23.9 IC23.10 IC23.11 IC23.12 IC23.13 IC23.14 IC24.9 IC24.10 IC24.11 IC24.12 IC24.13 IC24.14 IC25.9 IC25.10 IC25.11 IC25.12 IC25.13 IC25.14 IC27.8 IC27.9 IC27.10 IC27.11 IC27.12 IC27.13 IC28.6 IC28.8 IC28.9 IC28.10 IC28.11 IC28.12 IC28.13 IC38.1 IC38.7 J1.12 J1.M1 J1.M2 J1.M3 J1.M4 J1.M5 J1.M6 J1.M7 J1.M8 J1.M9 J1.M10 J1.M11 J1.M12 J1.M13 J1.M14 J1.M15 J1.M16 L6A.2 L6A.4 L6A.6 L6A.7 L6A.10 L6B.2 L6B.4 L6B.6 L6B.7 L6B.10

## Polygon pours and split planes (outlines as drawn)
P3V3p on L2 "P3V3P_L02_P006" (solid, remove dead copper, pour order 6): 83.5,86.008 83.5,38 68.75,23.25 60.25,23.25 60.25,30.509 71.515,40.638 71.515,75.085 69.4,77.2 69.4,79 68.2,80.2 68.2,86
P12V0c on L2 "NONET_L-01_P-001" (solid, pour order 14): 117.5,34.75 117.5,31.5 110,24 110,15.75 106.487,12.237 101.194,12.237 99.809,13.622 99.809,15.629 105.605,21.425 105.605,31.509 108.845,34.75
P3V3 on L2 "P3V3_L02_P009" (solid, remove dead copper, pour order 9): 91.493,86.009 117.993,86.009 117.993,36.063 91.493,36.063
P12V0 on L2 "P12V0_L02_P004" (solid, pour order 4): 108,53.858 108,45.133 114.333,38.8 117.993,38.8 117.993,46.5 112.061,46.5 111.149,47.412 111.149,53.858
P3V3Ap on L2 "P3V3AP_L02_P005" (solid, remove dead copper, pour order 5): 65.01,33.638 69.288,33.638 71.515,35.865 71.515,75.085 69.4,77.2 69.4,79 68.2,80.2 65.9,80.2 62,76.3 62,66.8 62.771,66.029 62.771,35.877
P12V0p on L2 "NONET_L-01_P-001" (solid, pour order 12): 21.75,78.5 27.25,78.5 29,76.75 29,22.15 32.4,18.75 53,18.75 53,8.75 21.75,8.75
GNDp on L3 "NONET_L-01_P-001" (solid, pour order 13): 21.75,15.75 19.5,13.5 0.742,13.5 -0.25,12.508 -0.25,2.25 1.75,0.25 63.95,0.25 64.2,0.5 64.2,23.974 75.101,34.875 81.394,34.875 83.126,36.607 83.126,86 23.5,86 21.75,84.25
GNDc on L3 "NONET_L-01_P-001" (solid, pour order 15): 117,33.75 117.5,33.25 117.5,8.75 110,1.25 84.25,1.25 83.75,1.75 83.75,5.75 84.25,6.25 92.75,6.25 94,7.5 94,26.159 98.323,30.482 98.323,33.75
GNDp on L3 "NONET_L-01_P-001" (solid, pour order 16): -17.75,51.75 -17.75,48 -16.5,46.75 -13.5,46.75 -9.75,50.5 22.482,50.5 22.5,50.482 22.626,50.608 22.626,52.75 -16.75,52.75
GND on L3 "GND_L03_P000" (solid, remove dead copper, pour order 0): 91.5,86 118,86 118,34.25 91.5,34.25
GNDp on L3 "GNDP_L03_P011" (solid, remove dead copper, pour order 11): 56.85,174.2 56.85,260.209 127.35,260.209 127.35,174.2

## Keep-outs
L2:
  rectangle: -20,0 -18.75,86
  lines w0.4: 64.2,0.2 63.811,0.589 63.811,6.338 62.486,7.663 62.486,11.067 63.811,12.392 63.811,23.586 75.099,34.873 79.007,34.873 ; 75.5,0 75.5,20.935 79.565,25 91.755,25 97.66,30.905 97.66,35.751 ; 81.394,34.875 83.126,36.607 83.126,86 ; 94,86 94,39.41 97.776,35.635 ; 108,86 108,81 111,78 118,78 ; 75.5,20.716 75.5,20.716
L3:
  region: -20,86 -18.75,86 -18.75,0 -20,0
  lines w0.4: 64.2,0.2 63.95,0.45 63.95,6.269 62.551,7.668 62.551,11.131 63.95,12.531 63.95,23.724 75.099,34.873 79.007,34.873 ; 75.5,0 75.5,20.935 79.565,25 91.892,25 97.776,30.884 97.776,35.635 94,39.41 94,86 ; 81.394,34.875 83.126,36.607 83.126,86 ; 108,86.009 108,80.996 110.97,78.025 117.993,78.025

## Other copper
Top:
  rectangle net NetC36_2: 91.727,19.5 93.25,20.9
  rectangle net NetC29_2: 91.25,14.412 93.5,16.35
  rectangle net P12V0c: 105.713,14.858 107,16.35
  rectangle net P12V0p: 22,77.92 23.325,79.409
  rectangle net NetD31A_1: 29.248,74.375 30.5,76.223
  rectangle net P12V0p: 22,44.891 23.005,48.584
  rectangle net NetD31B_1: 28.803,43.725 30.25,45.087
L2:
  rectangle net P5V0Ap: 50.25,5.75 51,6.75
Bot:
  rectangle net NetC36_2: 92.5,19.425 93.25,21.05
  rectangle net NetD31B_1: 29.5,43.178 31.25,44.995
  rectangle net GNDp: 61.8,36.446 66.484,41.2

## Silkscreen, mask and mechanical layers (free items; w line width, h text height)
TopOverlay:
  drawing of 1209 lines, arcs and shapes, not listed
  text "HV / OUTA" at -18.668,64.061 h1.02
  text "GND" at -18.668,44.75 h1.02
  text "HV / OUTB" at -19.3,22.1 h1.02
  text "HV Module 6W v1.0" at 15.875,20.095 h1.5
  text "HIGH" at 8.11,18.811 h1.5
  text "WUT ISE 2023" at 19.775,17.895 h1.02
  text "VOLTAGE" at 5.846,16.611 h1.5
Mechanical1:
  lines w0.15: -30,0 116,0 118,0 118,86 -30,86 -30,79 -19.5,79 -19.5,7 -30,7 -30,0.75 -30,0
Mechanical4:
  lines w0.15: -12.044,-21.194 -12.044,107.162
  lines w0.3: -33.455,0.074 -33.444,0.063 ; -4.712,-1.488 -3.444,-1.488 ; -3.444,-2.837 -3.444,-1.488 ; -3.444,0.063 -3.444,-1.488 ; -1.588,-1.488 -3.444,-1.488
DrillDrawing:
  drawing of 295 lines, arcs and shapes, not listed
  text "Layer" at 141.55,170.779 h1.52
  text "Name" at 151.962,170.779 h1.52
  text "Material" at 174.054,170.779 h1.52
  text "Thickness" at 195.892,170.779 h1.52
  text "Constant" at 212.398,170.779 h1.52
  text "Board Layer Stack" at 226.872,170.779 h1.52
  text "TopOverlay" at 151.962,167.731 h1.52
  text "TopSolder" at 151.962,164.683 h1.52
  text "Solder Resist" at 174.054,164.683 h1.52
  text "0.010mm" at 195.892,164.683 h1.52
  text "3.5" at 212.398,164.683 h1.52
  text "1" at 141.55,161.635 h1.52
  text "Top" at 151.962,161.635 h1.52
  text "0.035mm" at 195.892,161.635 h1.52
  text "Dielectric1" at 151.962,158.587 h1.52
  text "FR-4" at 174.054,158.587 h1.52
  text "0.180mm" at 195.892,158.587 h1.52
  text "4.2" at 212.398,158.587 h1.52
  text "2" at 141.55,155.539 h1.52
  text "L2" at 151.962,155.539 h1.52
  text "0.035mm" at 195.892,155.539 h1.52
  text "Dielectric 3" at 151.962,152.491 h1.52
  text "FR-4" at 174.054,152.491 h1.52
  text "1.100mm" at 195.892,152.491 h1.52
  text "4.2" at 212.398,152.491 h1.52
  text "3" at 141.55,149.443 h1.52
  text "L3" at 151.962,149.443 h1.52
  text "0.035mm" at 195.892,149.443 h1.52
  text "Dielectric2" at 151.962,146.395 h1.52
  text "FR-4" at 174.054,146.395 h1.52
  text "0.180mm" at 195.892,146.395 h1.52
  text "4.2" at 212.398,146.395 h1.52
  text "4" at 141.55,143.347 h1.52
  text "Bot" at 151.962,143.347 h1.52
  text "0.035mm" at 195.892,143.347 h1.52
  text "BottomSolder" at 151.962,140.299 h1.52
  text "Solder Resist" at 174.054,140.299 h1.52
  text "0.010mm" at 195.892,140.299 h1.52
  text "3.5" at 212.398,140.299 h1.52
  text "BottomOverlay" at 151.962,137.251 h1.52

## Text inside footprints (layer, text, board x,y; h text height)
J1: TopOverlay "16" at 110.564,59.804 h1 r90; TopOverlay "15" at 115.128,60.408 h1 r90; TopOverlay "2" at 110.564,43.504 h1 r90; TopOverlay "1" at 116.364,43.804 h1 r90